# KiCad board dueottosei.kicad_pcb (continued)
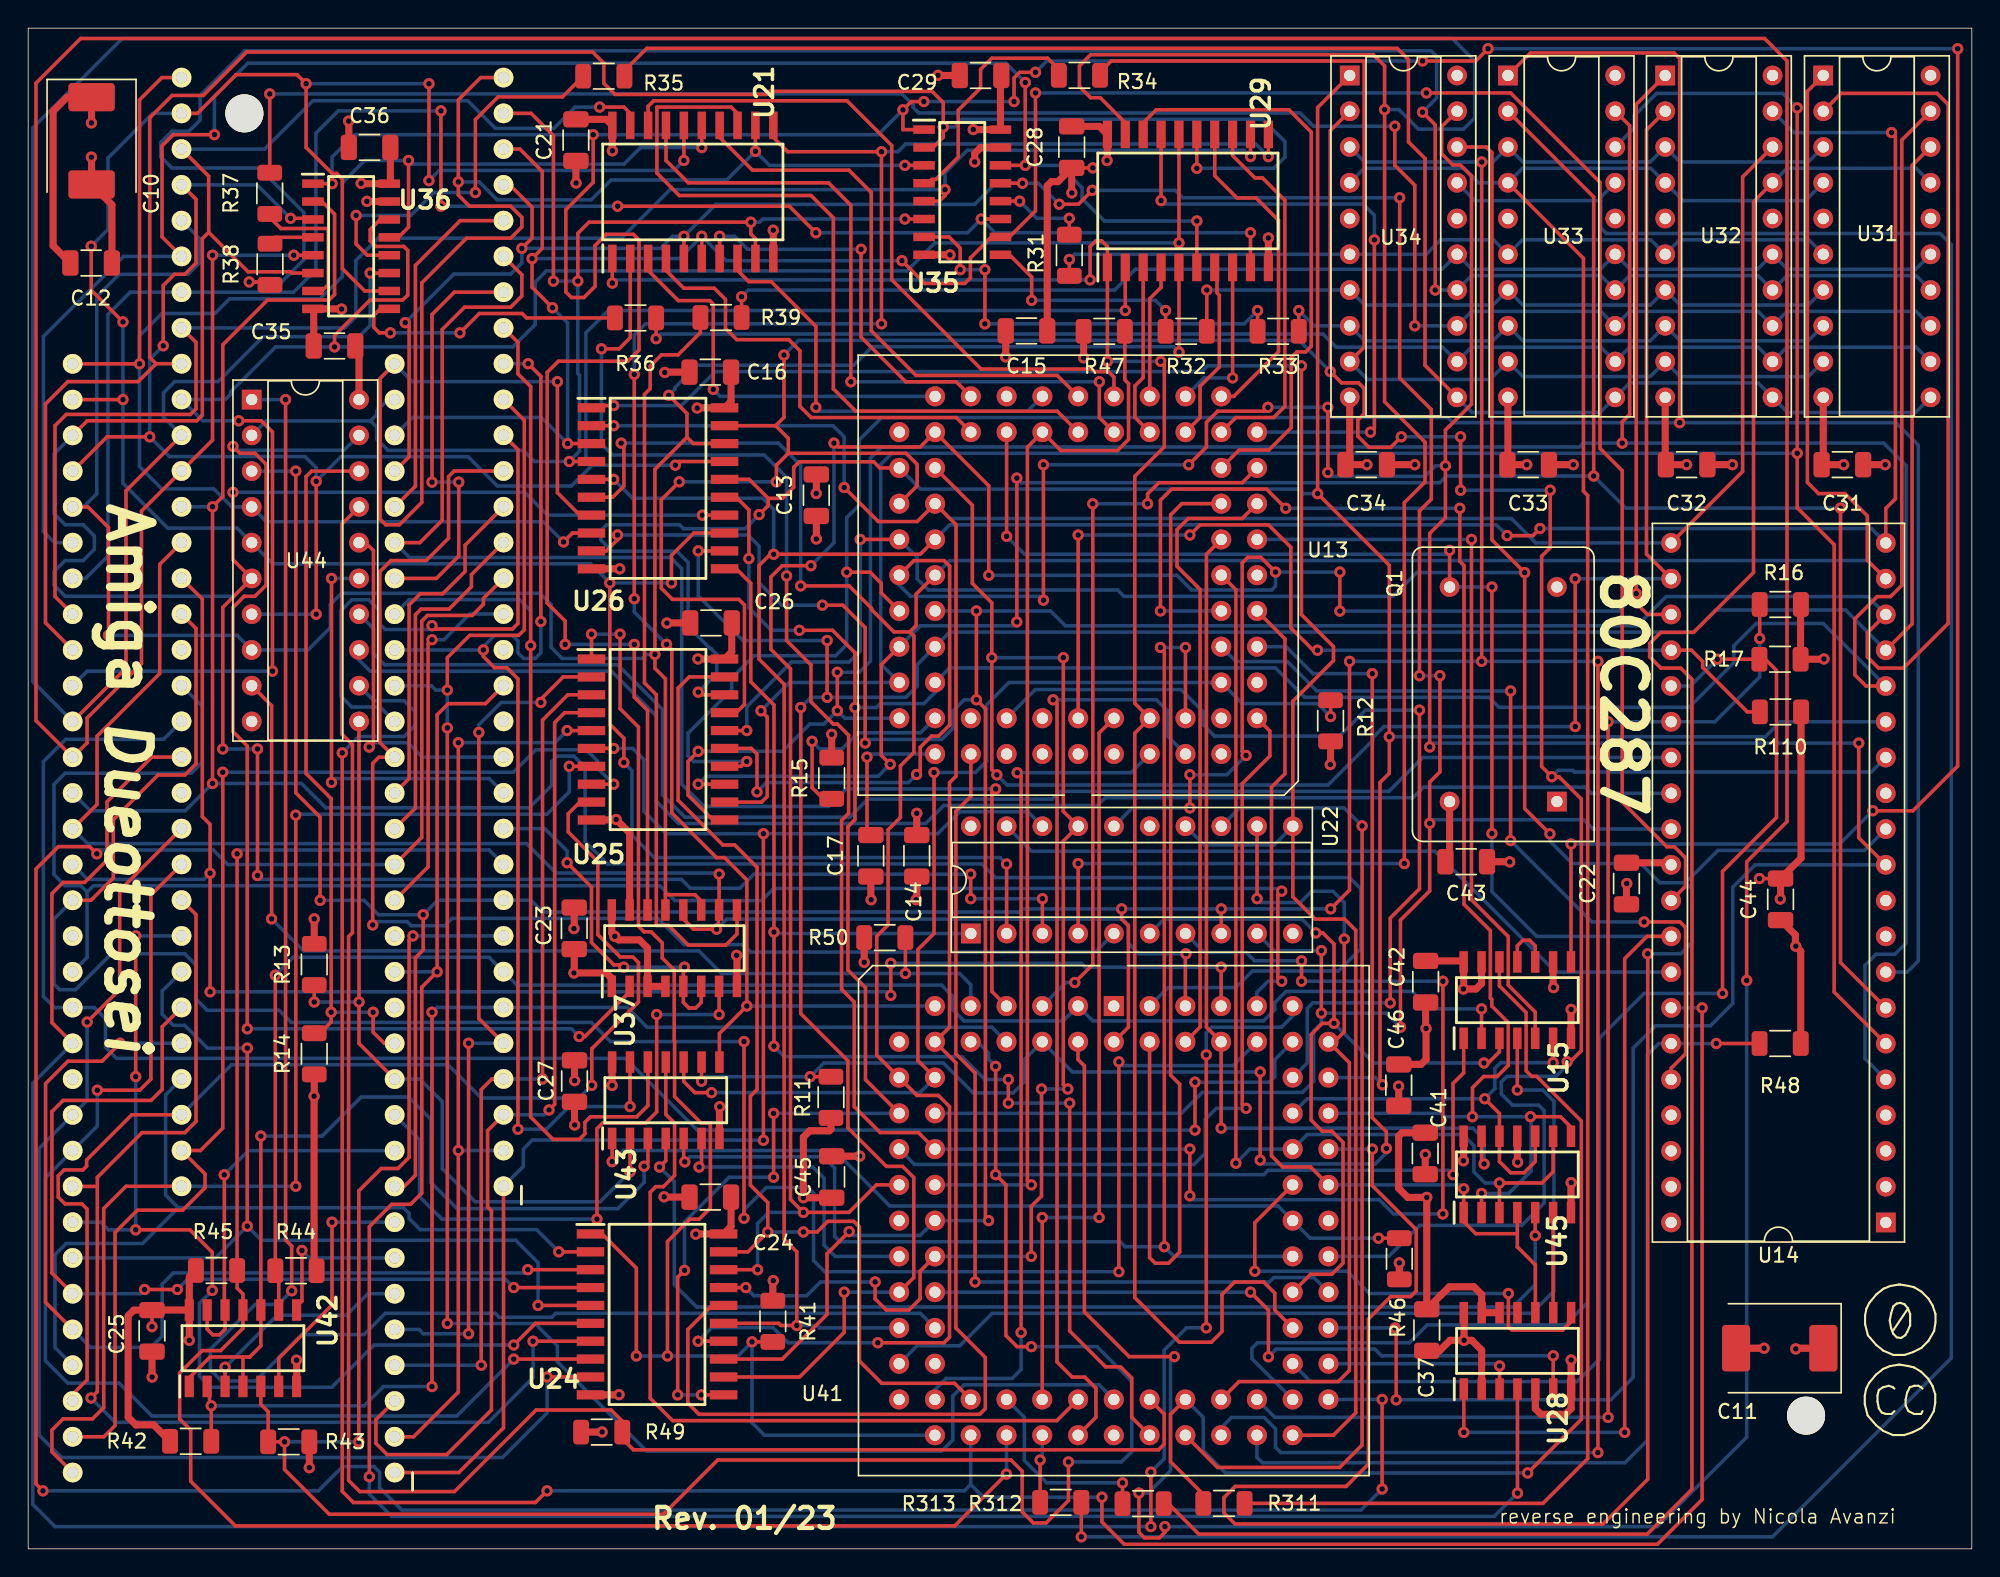
[diagram p0: board, top side]
## Routing (per net, layer and track width the routed paths; a pad name or vN(x,y) marks a point on that pad's centre or on a via; arc(x,y) is an arc through that point)
GND: length 155.9
  Top w0.25: v1(122.92,47.61) C44.2 ; v1(75.59,98.08) 74.09,98.08
  Top w0.5: U21.10 52.91,93.65 v1(52.9,93.65) ; U37.1 41.44,40.52 41.05,40.9 v1(38.75,40.9) 38.77,40.92 C23.2 ; v1(38.9,97) 38.89,97.01 38.89,98.58 ; v1(49.1,31.4) 49.08,31.38 U43.7 ; C13.2 55.96,74.96 v1(55.95,74.95) ; v1(59.04,27.89) 59.03,27.89 C45.2 ; C34.2 v1(98.45,77) ; v1(105.75,27.46) 105.73,27.48 U45.11 ; C17.2 59.83,46.12 v1(59.85,46.1) ; U42.7 19.06,13.39 v1(19.05,13.4) ; v1(42,69.6) 42,69.61 U26.10 ; v1(38.8,33.25) 38.79,33.26 C27.2 ; v1(105.19,48.79) 105.18,48.8 104.07,48.8 103.57,49.3 ; v1(109.55,38.31) 109.54,38.3 U15.7 ; U28.5 107.01,9.95 107.4,9.56 109.15,9.56 109.55,9.96 U28.7 v1(109.55,13.41) ; v1(64.6,104.65) 64.61,104.64 C29.2 ; v1(45.15,25) 45.17,24.98 C24.2 ; C35.2 20.28,88.01 U36.8 22.23,88.06 v1(22.25,88.05) ; U37.15 42.7,50.84 v1(41.75,51.8) 41.72,51.77 U25.10 ; v1(45.2,83.55) 45.22,83.57 C16.2 ; v1(41.95,10.95) 41.94,10.94 39.92,10.94 ; v1(88.05,93.1) 88.06,93.09 U29.10 ; v1(74.1,96.3) 74.09,96.31 74.09,98.08 73.12,97.1 72.65,97.1 72.35,96.81 C15.2 ; U37.8 50.32,42.12 v1(50.3,42.15) ; C33.2 v1(109.7,77) ; C22.2 116.5,48.72 U14.30 ; v1(24.05,95.7) 24.06,95.69 U36.15 ; U35.8 65.44,91.91 v1(65.45,91.9) ; 99.3,17.02 100.29,18.01 100.3,18.01 100.9,18.61 102.65,18.61 103.2,18.06 U28.13 U28.12 ; 99.3,17.02 99.44,17.16 ; 99.3,17.02 v1(99.3,24.96) 97.95,24.96 97.3,25.61 97.3,29.31 97.54,29.56 99.19,29.56 ; v1(45.35,65.75) 45.36,65.76 C26.2 ; C14.2 63.09,46.14 v1(63.05,46.1) ; C12.2 5.94,95.45 C10.2 4.5,98.83 v1(4.49,98.84) ; v1(22.75,101.4) 22.77,101.38 C36.2 ; U35.15 67.62,99.53 67.2,99.1 v1(67.2,98.5) ; v1(109.55,26.01) 109.54,26 U45.7 ; C25.2 8.79,12.21 v1(8.8,12.2) ; C32.2 v1(121,77) ; C11.2 v1(123.25,14.25) ; C42.2 99.22,36.99 v1(99.25,36.96) 99.25,34.76 98.9,34.41 C46.2 ; v1(124.4,46.15) 124.42,46.17 C44.2 125.87,49.06 R110.1 ; C31.2 v1(131.85,77)
VCC: length 204.1
  Top w0.25: v1(8.79,15.78) 8.79,16.96
  Top w0.5: v1(23.64,96.98) 23.67,96.95 U36.16 25.72,97.03 25.72,99.53 ; v1(101.95,14.81) 100.95,14.81 100.21,14.06 C37.1 ; v1(101.95,14.81) 102.5,14.81 103.2,14.11 U28.2 ; v1(101.95,14.81) 101.95,16.75 U28.14 ; C35.1 23.49,85.16 U44.20 ; U31.10 127.45,77.11 C31.1 v1(128.9,77) ; v1(47.4,22.35) 47.41,22.36 49.38,22.36 49.91,22.89 C24.1 ; C15.1 69.41,84.66 v1(69.4,84.65) ; U15.13 103.19,40.15 102.8,39.76 v1(101.9,39.76) 101.92,39.78 U15.14 101.85,41.75 C42.1 ; R14.1 20.31,32.16 v1(20.3,32.15) 20.3,19.92 R44.1 ; v1(40.75,8.3) 40.74,8.29 R49.1 ; C14.1 v1(63.09,52.24) ; v1(97.3,32.86) 97.31,32.85 C46.1 ; R50.1 v1(59.36,41.66) ; v1(4.49,101.27) 4.5,101.28 C10.1 2.76,103.1 1.77,102.11 1.77,92.55 C12.1 ; v1(125.5,14.2) 125.55,14.25 C11.1 ; v1(38.8,30.1) 38.79,30.11 C27.1 ; R41.1 52.87,19.02 v1(52.9,19.05) ; 49.96,65.76 49.96,63.7 U25.20 47.56,63.19 v1(47.55,63.2) ; C13.1 v1(55.96,71.72) ; R43.1 v1(19.96,5.76) ; 10.08,7.64 8.92,8.8 7.65,8.8 7.1,9.35 7.1,16.55 7.5,16.96 8.79,16.96 8.8,16.96 U42.14 ; 74.94,84.51 v1(74.94,84.59) R47.1 ; v1(92.45,55.7) 92.47,55.72 R12.1 ; v1(41.48,99.29) 41.47,99.3 U21.20 41.05,101.53 C21.1 ; C16.1 49.91,81.5 U26.20 47.51,81.03 v1(47.5,81.02) ; C44.1 125.47,43.6 125.47,42.83 v1(125.5,42.8) 125.85,42.45 R48.1 ; 100.62,49.3 C43.1 100.92,49.09 Q1.14 ; v1(106.4,77) C33.1 105.06,77.03 U33.10 ; U42.14 v1(11.44,14.81) ; U42.14 11.44,19.3 R45.1 ; v1(108.3,39.86) 108.27,39.89 U15.9 ; C45.1 55.04,24.94 v1(55.04,24.94) 55.04,29.24 55.49,29.69 56.89,29.69 57,29.8 R11.2 ; C28.1 76.06,101.03 U29.20 76.62,98.62 v1(76.6,98.6) ; R13.1 v1(20.31,44.74) ; v1(101.9,27.56) 101.92,27.58 U45.14 ; v1(38.75,44.05) 38.77,44.07 C23.1 ; R46.1 v1(97.35,20.31) ; v1(67.1,100.8) 67.1,100.8 U35.16 69.03,104.58 C29.1 ; U37.4 U37.3 43.97,42.67 43.4,43.25 41.9,43.25 v1(41.65,43.5) 41.44,43.72 U37.16 ; R15.1 v1(57.05,57.85) ; U32.10 116.23,77.05 C32.1 v1(117.75,77) ; U34.10 93.83,77.31 C34.1 v1(95.05,77) ; v1(99.2,28.01) 99.19,28 C41.1 ; R16.1 125.84,67.05 R17.1 127.48,63.18 v1(127.5,63.2) ; U43.14 v1(41.46,32.91) ; v1(113.5,47.25) 113.48,47.23 C22.1
6_A0: length 28.5
  Top w0.25: v1(48.64,82.35) 48.64,88.4 48.39,88.65 46.16,88.65 44.02,90.79 U21.3
  Bottom w0.25: U13.34 49.14,81.85 v1(48.64,82.35)
6_A1: length 30.8
  Top w0.25: U21.4 45.28,90.79 46.55,89.53 48.72,89.53 49.51,88.73 49.51,86.67 50.3,85.88 54,85.88 54.79,85.09 54.79,81.14 55.59,80.35 65.89,80.35 U13.33
6_A2: length 27.8
  Top w0.25: v1(59.14,92.3) 59.14,86.06 62.31,82.89 65.89,82.89 U13.32 ; v1(49.09,93.22) U21.7
  Bottom w0.25: v1(59.14,92.3) 51.08,92.3 50.15,93.22 v1(49.09,93.22)
6_A3: length 30.4
  Top w0.25: v1(55.93,81.07) 55.93,86.82 52.75,90 51.16,90 50.37,90.79 U21.8
  Bottom w0.25: v1(55.93,81.07) 56.2,80.8 70.96,80.8 U13.28
6_A4: length 56.1
  Top w0.25: U13.27 73.06,80.8 58.76,80.8 57.17,82.38 57.17,94.53 55.58,96.12 46.23,96.12 44.64,97.7 44.64,102.4 49.92,102.4 50.37,101.95 U21.13
6_A5: length 39.7
  Top w0.25: U13.26 73.06,83.34 63.04,83.34 59.86,86.51 59.86,96.33 58.27,97.91 51.42,97.91 49.09,100.24 U21.14
6_A6: length 51.1
  Top w0.25: U13.25 76.05,80.35 v1(76.05,82.89) ; U21.17 45.28,98.6 46.87,97.01 56.82,97.01 58.41,95.43 v1(58.41,82.89)
  Bottom w0.25: v1(76.05,82.89) v1(58.41,82.89)
6_A7: length 49.7
  Top w0.25: U21.18 44.02,102.45 44.41,102.85 58.14,102.85 61.31,99.67 61.31,90.14 67.66,83.79 75.53,83.79 75.7,83.61 76.69,83.61 77.09,83.21 U13.24
6_A8: length 12.4
  Top w0.25: U13.23 78.58,80.36 78.58,82.59 79.16,83.18 U29.3
6_A9: length 9.5
  Top w0.25: U13.22 79.63,88.79 80.44,89.59 U29.4
6_A10: length 12.8
  Top w0.25: U29.7 84.25,90.53 84.41,90.37 84.41,89.2 84.57,89.04 84.57,83.93 83.21,82.57 83.21,80.35 U13.21
6_A11: length 11.7
  Top w0.25: v1(85.51,83.16) U29.8
  Bottom w0.25: v1(85.51,83.16) 83.48,83.16 U13.20
6_A12: length 26.4
  Top w0.25: U13.19 85.75,80.35 88.43,80.35 89.23,81.14 89.23,95.77 87.64,97.36 87.1,97.36 85.51,98.95 U29.13
6_A13: length 23.5
  Top w0.25: U13.18 85.6,81.85 88.78,85.03 88.78,94.35 87.19,95.94 85.83,95.94 84.25,97.52 U29.14
6_A14: length 43.8
  Top w0.25: v1(95.58,92.97) 95.58,79.58 v1(95.31,79.31) ; v1(80.44,95.76) U29.17
  Bottom w0.25: v1(95.31,79.31) U13.17 ; v1(95.58,92.97) 95.58,94.71 94.79,95.51 80.69,95.51 v1(80.44,95.76)
6_A15: length 41.9
  Top w0.25: U29.18 79.16,101.28 80.09,102.21 89.51,102.21 91.1,100.62 91.1,85.4 90.7,85.01 90.07,85.01 89.68,84.61 89.68,79.63 88.09,78.04 85.98,78.04 U13.16
6_A16: length 50.7
  Top w0.25: v1(75.59,74.22) 75.59,41.5 v1(74.31,40.22) ; U13.15 86.2,75.72 80.27,75.72 79.48,74.92 v1(79.48,74.22)
  Bottom w0.25: v1(74.31,40.22) 73.67,40.22 U41.5 ; v1(79.48,74.22) v1(75.59,74.22)
6_A17: length 74.5
  Top w0.25: U41.84 79.62,20.68 80.02,20.28 80.96,20.28 81.75,21.08 81.75,33 81.12,33.64 81.12,73.44 81.91,74.23 U13.14
6_A18: length 43.9
  Top w0.25: U13.13 86.2,73.18 82.36,73.18 81.57,72.38 81.57,69.78 83.21,68.14 83.21,37.06 U41.82
6_A19: length 65.5
  Top w0.25: v1(84.7,29.88) U41.80 83.66,37.05 83.66,70.64 U13.12 ; v1(103.37,27.34) 103.19,27.52 U45.13
  Bottom w0.25: v1(84.7,29.88) 102.58,29.88 103.37,29.08 v1(103.37,27.34)
6_A20: length 52.5
  Top w0.25: U15.5 107,38.12 105.09,40.04 105.09,43.48 102.48,46.09 v1(102.48,71.69)
  Bottom w0.25: v1(102.48,71.69) U13.11
6_A21: length 73
  Top w0.25: U13.10 85.75,68.11 v1(85.75,27.39) ; U45.9 108.27,26.78 107.48,25.98 v1(104.46,25.98) U45.3
  Bottom w0.25: v1(85.75,27.39) 86.75,28.39 U41.69 90.82,29.43 101.85,29.43 102.65,28.63 102.65,26.78 103.44,25.98 v1(104.46,25.98)
6_A22: length 108.3
  Top w0.25: v1(101.65,73.9) 101.65,70.14 101.95,69.84 101.95,45.77 103.82,43.9 103.82,39.12 103.92,39.02 103.92,38.55 105.09,37.38 105.09,34.34 104.29,33.55 103.34,33.55 102.55,32.75 v1(102.55,30.69) ; U45.8 109.54,29.94 108.79,30.69 v1(106.66,30.69) ; v1(80.39,66.61) 80.39,74.47 81.19,75.27 87.92,75.27 v1(89.29,73.9) ; v1(103.19,25.24) U45.2
  Bottom w0.25: v1(80.39,66.61) U13.8 ; v1(103.19,25.24) 105.12,25.24 106.71,26.83 106.71,30.65 v1(106.66,30.69) v1(102.55,30.69) 100.53,30.69 100.29,30.93 U41.70 ; v1(101.65,73.9) v1(89.29,73.9)
6_A23: length 68.7
  Top w0.25: 105.73,22.38 102.78,22.38 101.92,23.24 U45.1 v1(101.92,25.58) ; 105.73,22.38 U45.4 ; 105.73,22.38 105.73,21.45 107.01,20.17 U28.10 ; U13.7 89.23,64.63 89.23,55.05 88.28,54.1 88.28,27.91 89.07,27.12 91.05,27.12 U41.66
  Bottom w0.25: v1(101.92,25.58) 101.65,25.85 U41.66
6_COD\~{INTA}: length 66.6
  Top w0.25: U41.41 75.81,9.34 75.81,11.41 75.02,12.2 74.12,12.2 73.05,13.27 73.05,60.03 v1(72.77,60.3)
  Bottom w0.25: v1(72.77,60.3) 80.11,60.3 80.9,59.51 80.9,57.72 U13.66
6_D0: length 216.5
  Top w0.25: U41.20 60.23,25.85 58.28,23.9 v1(55.04,23.9) 54.13,24.81 54.13,62.5 52.73,63.89 52.73,69.03 53.53,69.82 v1(55.57,69.82) ; v1(57.21,78.53) 57.49,78.26 63.34,78.26 U13.36 68.2,75.5 v1(68.2,69.14) ; v1(88.56,69.37) 87.51,70.42 86.59,70.42 86.2,70.02 86.2,56.62 v1(86.47,56.35) ; v1(93.13,66.6) v1(93.13,69.37) ; v1(82.48,54.97) v1(82.48,52.62) ; U14.23 114.97,66.36 114.18,67.15 v1(114.18,67.84) 114.18,102.59 U32.1 ; v1(51.79,19.83) U24.18
  Bottom w0.25: v1(93.13,69.37) v1(88.56,69.37) 88.56,68.37 88.29,68.1 82.61,68.1 81.57,69.14 v1(68.2,69.14) ; v1(114.18,67.84) 112.94,66.6 v1(93.13,66.6) ; v1(82.48,54.97) 85.1,54.97 v1(86.47,56.35) ; v1(55.04,23.9) 52.58,23.9 51.79,23.1 v1(51.79,19.83) ; v1(57.21,78.53) 57.21,71.46 v1(55.57,69.82) ; v1(82.48,52.62) 78.39,52.62 U22.16
6_D1: length 196.1
  Top w0.25: v1(68.78,54.97) 68.42,55.33 v1(68.42,63.29) 68.42,67.19 67.04,68.56 67.04,74.12 U13.38 ; v1(73.5,63.29) 73.5,52.37 U22.17 73.5,50.27 73.5,32.97 v1(73.81,32.66) ; v1(109.84,68.9) v1(109.84,58.4) ; U32.2 114.9,100.77 114.9,70.65 U14.22 ; v1(71.95,32.66) 71.95,25.05 71.22,24.33 v1(71.22,20.77) ; v1(60.13,18.96) 60.13,17.75 60.93,16.96 62.53,16.96 63.33,17.75 63.33,19.72 U41.25 ; v1(50.95,18.56) U24.17
  Bottom w0.25: v1(60.13,18.96) 56.25,18.96 55.28,17.98 51.53,17.98 v1(50.95,18.56) ; v1(68.78,54.97) 69.5,54.25 92.29,54.25 95.47,57.42 95.47,57.61 96.26,58.4 v1(109.84,58.4) ; v1(68.42,63.29) v1(73.5,63.29) ; v1(71.95,32.66) v1(73.81,32.66) ; U14.22 v1(109.84,68.9) ; U41.25 v1(71.22,20.77)
6_D2: length 211.4
  Top w0.25: U14.21 121.73,76.52 121.73,97.44 U32.18 ; v1(41.57,79.77) U26.2 ; 49.38,17.28 48.55,17.28 46.84,15.57 46.84,10.35 47.63,9.56 67.56,9.56 67.96,9.95 67.96,13.59 65.87,15.68 65.87,34.52 U41.13 65.42,37.05 65.42,54.41 65.88,54.87 65.88,72.74 U13.40 63.12,72.96 60.36,72.96 v1(57.94,75.38)
  Bottom w0.25: v1(41.57,79.77) 57.14,79.77 57.94,78.97 v1(57.94,75.38) ; U14.21 107.04,71.44 105.31,73.18 65.44,73.18 U13.40
6_D3: length 205.5
  Top w0.25: U14.20 131.89,73.89 132.58,74.57 132.58,100.31 v1(132.3,100.59) ; U13.42 63.34,70.64 v1(52.93,70.64) 52.69,70.64 51.9,69.84 51.9,63.18 53.68,61.4 53.68,21.99 54.57,21.1 v1(54.57,15.86) 53.45,15.86 53.29,16.01 49.38,16.01 ; v1(41.57,75.95) U26.5 ; v1(107.34,72.47) 106.83,71.96 v1(105.01,71.96)
  Bottom w0.25: U14.20 130.86,72.47 v1(107.34,72.47) ; v1(54.57,15.86) 56.01,15.86 56.18,15.69 U41.28 ; U32.19 125.36,100.59 v1(132.3,100.59) ; v1(41.57,75.95) 42.91,74.62 52.14,74.62 52.93,73.82 v1(52.93,70.64) ; U13.42 65.43,72.73 104.24,72.73 v1(105.01,71.96)
6_D4: length 224.7
  Top w0.25: U13.44 63.05,67.81 63.05,65.57 62.6,65.12 ; U31.1 126.33,103.52 126.33,75.74 127.12,74.95 129,74.95 130.58,73.36 130.58,70.21 U14.19 ; 62.6,65.12 61.46,65.12 59.88,66.71 59.88,66.8 58.29,68.39 v1(54.85,68.39) ; 62.6,65.12 62.89,64.83 62.89,56.56 61.93,55.61 61.93,51.94 61.06,51.07 61.06,44.31 60.25,43.5 60.25,35.06 U41.14 63.11,32.2 64.62,32.2 65.42,31.41 65.42,15.03 65.02,14.64 v1(60.33,14.64) ; v1(47.56,14.75) U24.14 ; v1(42.1,78.53) 42.3,78.34 42.3,75.48 41.5,74.69 U26.6
  Bottom w0.25: U13.44 65.43,70.19 130.6,70.19 U14.19 ; v1(47.56,14.75) 48.53,15.71 52.88,15.71 53.96,14.64 v1(60.33,14.64) ; v1(54.85,68.39) 54.85,76.94 53.26,78.53 v1(42.1,78.53)
6_D5: length 238.6
  Top w0.25: U14.18 130.58,65.05 130.58,63.34 131.38,62.55 133.15,62.55 136.32,65.72 136.32,102.58 135.53,103.37 128.72,103.37 U31.2 ; v1(68.19,23.31) 67.97,23.53 67.97,59.66 v1(67.33,60.3) v1(67.33,66.61) ; v1(58.29,22.53) 56.72,20.96 56.72,16.65 53.54,13.47 U24.13 ; v1(41.85,72) 41.85,71.67 41.05,70.88 U26.9 ; v1(56.39,67.02) 57.84,67.02 59.43,65.43 v1(59.43,57.23)
  Bottom w0.25: v1(68.19,23.31) U41.23 63.33,22.26 58.57,22.26 v1(58.29,22.53) ; U14.18 130.62,67.63 116.3,67.63 114.23,65.56 73.64,65.56 72.59,66.61 v1(67.33,66.61) U13.46 ; v1(56.39,67.02) 53.48,67.02 51.9,68.61 51.9,71.21 51.1,72 v1(41.85,72) ; v1(59.43,57.23) 59.68,57.49 64.87,57.49 65.66,58.28 65.66,59.51 66.45,60.3 v1(67.33,60.3)
6_D6: length 201.2
  Top w0.25: v1(47.58,70.88) U26.12 ; U14.17 133.76,65.69 133.76,98.25 U31.18 ; U41.26 62.88,19.27 62.88,26.37 62.08,27.16 60.93,27.16 58.2,29.9 58.2,34.67 54.85,38.02 v1(54.85,59.75) ; v1(56.72,60.48) v1(56.72,64.51) ; U24.12 54.77,12.21 57.94,15.38 v1(57.94,18.23)
  Bottom w0.25: U14.17 129.04,66.67 119.8,66.67 118.24,65.11 65.43,65.11 U13.48 63.12,62.8 63.12,61.27 62.33,60.48 v1(56.72,60.48) 55.58,60.48 v1(54.85,59.75) ; U41.26 v1(57.94,18.23) ; v1(47.58,70.88) 47.58,67.68 50.75,64.51 v1(56.72,64.51)
6_D7: length 215.5
  Top w0.25: v1(46.6,19.78) 46.12,19.29 46.12,10.94 v1(46.11,10.94) ; v1(54.75,65.23) 57.11,65.23 58.7,63.65 v1(58.7,59.75) 58.7,51.79 58.2,51.29 58.2,41.11 59.45,39.86 59.45,33.32 U41.16 ; v1(51.17,70.33) 51.17,73.78 50.27,74.69 U26.15 ; U14.16 130.48,61.28 129.69,62.07 129.69,66.04 131.28,67.63 132.23,67.63 133.03,68.42 133.03,100.06 U31.19 ; v1(47.8,10.94) U24.11 ; v1(52.93,30.93) v1(52.93,26.39)
  Bottom w0.25: v1(58.7,59.75) 60.23,59.75 60.5,60.03 63.6,60.03 64.39,60.82 U13.50 65.43,62.57 88.55,62.57 90.64,60.48 103.72,60.48 104.43,59.77 117.93,59.77 121.1,62.94 121.1,64.13 122.69,65.72 127.45,65.72 U14.16 ; v1(46.11,10.94) v1(47.8,10.94) ; v1(46.6,19.78) 46.6,23.22 49.78,26.39 v1(52.93,26.39) ; v1(51.17,70.33) 51.17,66.82 52.76,65.23 v1(54.75,65.23) ; U41.16 v1(52.93,30.93)
6_D8: length 193.8
  Top w0.25: U34.1 91.55,102.36 v1(91.55,74.94) 96.64,69.85 v1(96.64,57.68) 96.64,55.09 95.98,54.43 95.98,33.14 v1(96.16,32.96) ; 52.54,74.6 51.19,75.95 U26.16 ; 52.54,74.6 53.56,74.6 54.35,75.4 54.35,76.81 54.75,77.21 60.03,77.21 60.47,76.77 U13.37 ; 52.54,74.6 52.54,74.09 v1(51.9,73.45) ; v1(47.58,60.84) 47.76,60.66 U25.18
  Bottom w0.25: U13.37 63.35,75.27 90.21,75.27 90.54,74.94 v1(91.55,74.94) ; U41.72 95.65,33.47 v1(96.16,32.96) ; v1(96.64,57.68) 123.33,57.68 124.4,58.74 U14.15 ; v1(51.9,73.45) 50.9,72.45 46.52,72.45 46.25,72.73 41.07,72.73 40.67,72.33 40.67,71.65 41.46,70.86 46.06,70.86 46.85,70.06 46.85,65.51 48.44,63.93 48.49,63.93 48.89,63.53 48.89,62.16 v1(47.58,60.84)
6_D9: length 240.7
  Top w0.25: U13.39 63.12,75.5 63.12,77.01 62.33,77.81 53.97,77.81 ; v1(46.23,75.78) 44.95,74.5 44.95,68.22 45.74,67.43 50.46,67.43 50.86,67.03 50.86,59.97 50.27,59.39 U25.17 ; 53.07,79.77 53.66,80.36 v1(53.66,84.79) ; 53.07,79.77 U26.19 ; 53.07,79.77 53.97,78.86 53.97,77.81 ; v1(101.7,78.98) v1(101.7,75.18) ; v1(53.12,75.78) 53.12,76.96 53.97,77.81 ; v1(109.27,34.59) 109.48,34.59 110.28,35.38 110.28,53.25 108.69,54.84 v1(108.18,54.84) 107.45,55.56 107.45,70.49 108.06,71.1 v1(108.06,75.18) ; U34.2 92.45,100.72 v1(92.45,83.61) 93.26,82.81 94.46,82.81 94.86,82.41 94.86,80.62 94.41,80.17 94.41,79.02 95.2,78.23 96.74,78.23 v1(97.49,78.98)
  Bottom w0.25: v1(53.66,84.79) 54.7,85.83 90.24,85.83 v1(92.45,83.61) ; U41.62 96.6,20.77 98.8,22.97 106.05,22.97 107.63,24.56 107.63,31.12 107.24,31.52 105.38,31.52 104.59,32.31 104.59,33.16 104.99,33.56 108.48,33.56 109.27,34.35 v1(109.27,34.59) ; U14.14 130.86,55.17 109.78,55.17 109.66,55.29 108.63,55.29 v1(108.18,54.84) ; v1(101.7,75.18) v1(108.06,75.18) ; v1(97.49,78.98) v1(101.7,78.98) ; v1(46.23,75.78) v1(53.12,75.78)
6_D10: length 269.5
  Top w0.25: v1(51.02,58.11) U25.16 ; U13.41 v1(59.07,71.69) ; v1(95.43,28.39) 95.43,25.79 98.55,22.68 98.55,18.31 98.15,17.92 96.74,17.92 95.16,16.33 95.16,6.02 93.57,4.43 85.69,4.43 84.9,3.64 84.9,2.56 85.69,1.76 111.81,1.76 114.99,4.94 v1(114.99,42.26) ; U34.18 103.53,99.56 103.93,99.16 103.93,71.66 v1(106.25,69.34) 106.25,52.57 v1(108.05,50.78)
  Bottom w0.25: 117.68,47.31 118.13,46.86 118.13,43.05 117.33,42.26 v1(114.99,42.26) ; 117.68,47.31 115.85,47.31 114.5,48.67 109.63,48.67 108.05,50.26 v1(108.05,50.78) ; 117.68,47.31 119.97,49.61 130.38,49.61 U14.12 ; v1(59.07,71.69) 59.07,63.77 58.28,62.98 54.2,62.98 51.02,59.81 v1(51.02,58.11) ; U13.41 63.12,70.42 63.12,68.89 63.91,68.1 77.35,68.1 77.8,67.65 96.9,67.65 98.59,69.34 v1(106.25,69.34) ; v1(95.43,28.39) U41.68
6_D11: length 261.5
  Top w0.25: v1(97.13,10.58) 97.13,15.61 v1(97.05,15.69) ; U34.19 100.35,101 100.35,99.08 101.14,98.29 101.68,98.29 102.48,97.5 102.48,81.29 100.89,79.71 100.88,79.71 100.63,79.46 v1(100.63,76.92) 100.63,73.23 99.51,72.11 v1(99.51,56.95) ; v1(63.08,55) 63.34,55.25 63.34,56.93 64.13,57.72 64.63,57.72 65.43,58.51 65.43,69.79 65.03,70.19 62.89,70.19 U13.43 ; U25.15 51.35,56.84 51.75,56.45 v1(51.75,53.76) ; v1(82.4,76.99) 83.66,78.25 83.66,80 84.45,80.8 87.75,80.8 v1(88.02,81.07) ; v1(72.08,67.37) v1(72.08,76.99) ; v1(92.28,81.07) v1(92.28,76.44) ; v1(129.97,57.23) 129.97,50.5 U14.11
  Bottom w0.25: v1(72.08,67.37) 71.81,67.65 62.64,67.65 61.85,68.44 U13.43 ; v1(88.02,81.07) v1(92.28,81.07) ; v1(63.08,55) 62.5,54.42 52.41,54.42 v1(51.75,53.76) ; v1(92.28,76.44) 92.55,76.17 99.16,76.17 99.91,76.92 v1(100.63,76.92) ; v1(72.08,76.99) v1(82.4,76.99) ; v1(97.05,15.69) U41.58 ; U14.11 122.61,48.58 121.03,46.99 121.03,38.74 119.44,37.15 115.54,37.15 113.96,35.56 113.96,12.17 112.37,10.58 v1(97.13,10.58) ; v1(99.51,56.95) 99.78,57.23 v1(129.97,57.23)
6_D12: length 197
  Top w0.25: U25.14 50.62,55.58 50.96,55.92 v1(51.02,55.92) ; U13.45 60.57,67.89 60.57,68.57 59.78,69.36 v1(58.12,69.36) ; v1(117.26,79.98) 117.26,105.84 116.86,106.24 106.66,106.24 U33.1
  Bottom w0.25: v1(51.02,55.92) 47.25,55.92 46.85,56.31 46.85,57.93 49.95,61.03 49.95,61.84 51.54,63.43 57.32,63.43 58.12,64.22 v1(58.12,69.36) 58.12,73.25 59.01,74.13 59.01,78.76 60.59,80.35 100.79,80.35 101.16,79.98 v1(117.26,79.98) 132.61,79.98 134.2,78.39 134.2,41.75 133.41,40.96 U14.8
6_D13: length 169.5
  Top w0.25: U33.2 111.15,96.01 v1(111.15,76.19) ; v1(47.58,54.31) U25.13 ; U14.7 128.68,41.63 v1(128.68,73.92) ; v1(70.2,65.83) v1(70.2,76.04) ; U13.47 60.57,62.79 60.57,56.36 v1(61.21,55.72)
  Bottom w0.25: v1(47.58,54.31) 48.14,54.87 60.36,54.87 v1(61.21,55.72) ; U13.47 63.34,65.56 69.92,65.56 v1(70.2,65.83) ; v1(128.68,73.92) 113.43,73.92 v1(111.15,76.19) 100.69,76.19 100.22,75.72 70.52,75.72 v1(70.2,76.04)
6_D14: length 186
  Top w0.25: U25.12 52.07,53.03 52.47,53.43 52.47,59.08 v1(52.03,59.52) ; U14.6 128.23,39.54 128.23,71.32 125.6,73.94 v1(125.6,77.81) v1(125.6,102.34)
  Bottom w0.25: v1(125.6,102.34) 124.57,103.37 115.62,103.37 114.03,101.78 114.03,100.91 U33.18 ; v1(125.6,77.81) 61.33,77.81 60.53,77.01 60.53,62.85 U13.49 54.04,61.53 v1(52.03,59.52)
6_D15: length 187.3
  Top w0.25: v1(57.45,62.26) v1(57.45,59.53) ; U25.11 48.62,51.77 46.85,53.53 46.85,55.92 v1(47.58,56.64) ; U33.19 113.71,101.07 113.71,80.57 113.18,80.04 v1(113.18,78.53)
  Bottom w0.25: v1(57.45,62.26) 59.01,62.26 59.8,63.05 59.8,77.46 60.59,78.26 110.14,78.26 110.42,78.53 v1(113.18,78.53) 131.74,78.53 133.33,76.94 133.33,43.02 132.54,42.23 131.21,42.23 130.41,41.44 130.41,34.82 U14.5 ; U13.51 57.99,58.99 v1(57.45,59.53) 56.5,58.58 55.49,58.58 53.56,56.64 v1(47.58,56.64)
6_HDLA: length 137.9
  Top w0.25: v1(80.41,84.34) 80.67,84.08 80.67,78.27 78.57,76.17 78.57,60.05 U13.65 78.57,57.93 78.57,17.85 81.74,14.67 84,14.67 84.76,15.43 84.76,18.06 85.66,18.96 87.72,18.96 88.51,18.16 88.51,16.96 U41.59 ; v1(76.62,84.34) U29.1 76.62,92.49 76.23,92.89 75.79,92.89 75.4,92.49 v1(75.4,90.12) ; v1(41.47,89.9) U21.1
  Bottom w0.25: v1(41.47,89.9) 41.7,90.12 v1(75.4,90.12) ; v1(80.41,84.34) v1(76.62,84.34)
6_HOLD: length 59.9
  Top w0.25: v1(70.5,15.36) 70.5,54.85 v1(70.22,55.12)
  Bottom w0.25: v1(70.5,15.36) 70.5,12.74 69.86,12.1 65.17,12.1 64.38,11.3 U41.34 ; v1(70.22,55.12) 78.3,55.12 U13.64
6_INTR: length 65.9
  Top w0.25: v1(96.71,38.77) 96.71,44.8 98.78,46.87 v1(98.78,59.56)
  Bottom w0.25: U13.57 71.51,61.03 81.85,61.03 83.44,59.44 83.44,58.51 84.23,57.72 93.1,57.72 94.95,59.56 v1(98.78,59.56) ; v1(96.71,38.77) 91.21,38.77 90.82,38.37 90.82,34.51 U41.73
6_M\~{IO}: length 100.3
  Top w0.25: v1(80.39,64.02) 80.67,63.74 v1(80.67,21.46) ; v1(46.62,27.48) 46.54,27.56 U43.5 ; v1(82.17,64.02) U13.67
  Bottom w0.25: v1(80.39,64.02) v1(82.17,64.02) ; v1(46.62,27.48) 46.98,27.84 56.46,27.84 57.26,27.05 57.26,22.2 57.65,21.81 77.54,21.81 77.89,21.46 v1(80.67,21.46) 81.36,20.77 U41.63
6_PEREQ: length 70.8
  Top w0.25: v1(74.55,72) U13.61 ; U14.24 118.09,63.82 118.89,63.03 118.89,62.61 122.06,59.44 R110.2 ; v1(82.48,72) 83.21,72.73 88.06,72.73 89.65,71.14 89.65,65.41 91.23,63.82 v1(91.54,63.82)
  Bottom w0.25: v1(82.48,72) v1(74.55,72) ; U14.24 v1(91.54,63.82)
6_RESET: length 75.6
  Top w0.25: v1(71.22,25.85) 70.95,26.12 70.95,78.25 U13.29 73.32,78 77.33,78 78.13,78.79 78.13,82.75 77.86,83.02 R47.2
  Bottom w0.25: v1(71.22,25.85) U41.21
6_~{BHE}: length 57.1
  Top w0.25: v1(86.47,31.28) 86.2,31.56 86.2,54.35 88.16,56.31 88.16,58.08 U13.1
  Bottom w0.25: v1(86.47,31.28) 84.36,31.28 83.57,30.49 83.57,28.09 82.77,27.3 62.93,27.3 U41.18
6_~{BUSY}: length 64.1
  Top w0.25: U13.54 66.93,53.44 65.87,52.38 65.87,35.16 67.23,33.8 v1(67.23,18.96)
  Bottom w0.25: v1(67.23,18.96) 88.12,18.96 88.44,19.27 91.28,19.27 U41.60
6_~{PEACK}: length 58.9
  Top w0.25: v1(105.25,50.3) v1(105.25,60.93) ; v1(114.73,44.53) 117.28,44.53 117.68,44.13 117.68,35.16 116.65,34.13 U14.36
  Bottom w0.25: v1(105.25,50.3) 111.03,44.53 v1(114.73,44.53) ; U13.6 85.76,63.02 89.41,63.02 91.5,60.93 v1(105.25,60.93) ; 116.65,33.57 U14.36
6_~{READY}: length 52.9
  Top w0.25: v1(72,23.53) U41.40 ; v1(76.04,23.53) 76.04,57.94 U13.63
  Bottom w0.25: v1(76.04,23.53) v1(72,23.53)
6_~{S0}: length 106.3
  Top w0.25: v1(95.43,62.16) 95.43,30.62 96.43,29.62 v1(96.43,28.44) ; v1(47.81,33.21) U43.9 ; v1(55.52,33.53) R11.1 ; v1(87.47,33.87) v1(87.47,27.61)
  Bottom w0.25: v1(47.81,33.21) 48.13,33.53 v1(55.52,33.53) 56.5,34.51 64.98,34.51 67.1,32.38 69.94,32.38 70.73,33.17 70.73,34.74 U41.6 74.14,33.87 v1(87.47,33.87) ; v1(95.43,62.16) 91.22,62.16 89.31,64.07 U13.5 ; v1(87.47,27.61) 87.75,27.34 95.64,27.34 96.43,28.13 v1(96.43,28.44)
6_~{S1}: length 78
  Top w0.25: v1(64.32,55.14) 64.32,43.71 63.17,42.56 63.17,34.68 U41.15 ; v1(48.52,32.4) 47.33,32.4 46.54,33.19 U43.10 ; v1(92.47,59.11) R12.2
  Bottom w0.25: v1(64.32,55.14) 67.26,55.14 68.05,55.93 68.05,59.94 69.64,61.53 U13.4 86.21,60.03 91.55,60.03 v1(92.47,59.11) ; U41.15 63.31,32.4 v1(48.52,32.4)
7_NPS2: length 105
  Bottom w0.25: U41.55 86.88,13.51 86.88,14.24 87.28,14.64 98.07,14.64 99.34,15.91 109.14,15.91 110.73,17.49 110.73,40.96 ; U22.19 71.25,49.54 99.88,49.54 108.46,40.96 110.73,40.96 ; 110.73,40.96 U14.33
7_RESET: length 65.8
  Top w0.25: v1(119.85,35.89) R48.2
  Bottom w0.25: v1(119.85,35.89) 119.84,35.88 U14.35 115.76,35.88 114.96,35.09 114.96,7.7 113.37,6.11 87.64,6.11 87.24,6.51 U41.51
7_~{BUSY}: length 88.9
  Top w0.25: v1(119.92,63.18) R17.2 123.34,63.18 124.13,62.39 124.13,51.94 120.3,48.11 v1(120.3,39.45)
  Bottom w0.25: U41.57 91.05,11.88 109.97,11.88 111.56,13.47 111.56,36.27 114.73,39.45 v1(120.3,39.45) ; U14.25 118.02,61.28 v1(119.92,63.18)
7_~{ERROR}: length 92.1
  Top w0.25: v1(112.18,58.74) v1(112.18,9.34) ; v1(122.94,64.66) R16.2
  Bottom w0.25: v1(112.18,58.74) U14.26 119.76,58.74 122.94,61.92 v1(122.94,64.66) ; v1(112.18,9.34) 88.51,9.34 U41.52
7_~{NPRD}: length 105.5
  Bottom w0.25: U44.14 24.52,65.35 24.52,63.58 25.31,62.79 41.86,62.79 45.03,59.61 45.03,53.55 46.62,51.97 58.34,51.97 59.62,53.25 72.71,53.25 73.26,53.8 96.61,53.8 99.01,56.2 U14.27
7_~{NPS1}: length 206.3
  Top w0.25: v1(36.84,4.12) 36.01,3.29 23.09,3.29 22.3,4.08 v1(22.3,56.53) ; v1(76.24,3.67) 76.24,1.91 77.82,0.33 115.68,0.33 118.85,3.5 v1(118.85,38.42)
  Bottom w0.25: v1(76.24,3.67) 67.82,3.67 66.92,4.57 ; 66.92,4.57 66.47,4.12 v1(36.84,4.12) ; 66.92,4.57 U41.35 ; U44.12 24.55,60.24 26.69,60.24 27.49,59.44 27.49,58.49 26.69,57.7 23.46,57.7 v1(22.3,56.53) ; v1(118.85,38.42) U14.34
7_~{NPWR}: length 103.5
  Bottom w0.25: U44.13 23.49,63.13 24.28,62.34 41.41,62.34 44.58,59.16 44.58,53.1 46.17,51.51 63.72,51.51 65,52.8 75.91,52.8 76.46,53.35 98.33,53.35 99.08,54.1 110.55,54.1 110.99,53.66 U14.28
CLK: length 56.6
  Top w0.25: U41.50 85.97,11.88 93.01,11.88 93.81,12.67 93.81,34.52 U41.74 92.73,36.01 93.44,36.72 v1(93.44,43.31) ; v1(87.25,46.18) U22.12
  Bottom w0.25: v1(93.44,43.31) 93.44,45.91 92.65,46.7 91.12,46.7 90.32,45.9 87.53,45.9 v1(87.25,46.18)
GCLK: length 138.1
  Top w0.25: v1(88.06,98.88) U29.11 ; U21.11 52.91,100.24 53.92,99.23 v1(60.59,99.23) v1(60.59,87) ; v1(45.33,64.24) 45.7,63.87 45.7,52.27 48.87,49.09 49.44,49.09 51.03,47.5 v1(51.03,38.55) 49.08,36.6 U43.8 ; v1(43.03,67.48) v1(43.03,83.41)
  Bottom w0.25: v1(43.03,83.41) 43.03,86.21 43.83,87 v1(60.59,87) ; v1(43.03,67.48) 43.03,66.53 v1(45.33,64.24) ; v1(51.03,38.55) U41.11 ; v1(60.59,99.23) 61.75,99.23 62.3,99.78 87.16,99.78 v1(88.06,98.88)
LDC: length 75
  Top w0.25: 49.44,61.92 46.94,61.92 46.15,61.13 46.15,53.17 49.32,49.99 50.16,49.99 51.75,48.4 51.75,32.62 51.28,32.15 51.28,25.83 52.51,24.6 v1(52.51,22.5) 51.1,21.09 U24.19 ; U41.36 65.78,11.75 60.6,11.75 59.02,13.34 59.02,22.86 58.62,23.26 56.77,23.26 56.02,22.5 v1(55.04,22.5)
  Bottom w0.25: v1(52.51,22.5) v1(55.04,22.5)
M2: length 99.7
  Top w0.25: 39.92,22.36 40.75,22.36 43.18,19.94 v1(43.18,13.7) ; v1(45.39,13.7) 45.39,21.83 46.98,23.41 47.64,23.41 48.44,24.21 48.44,30.24 47.78,30.24 45.9,32.12 45.9,36.09 45.87,36.11 45.87,41.11 45.02,41.96 45.02,43.03 44.23,43.83 43.73,43.83 43.33,44.22 43.33,58.37 42.03,59.67 v1(42.03,64.96) ; v1(40,64.96) U25.1 ; v1(51.39,14.7) R41.2
  Bottom w0.25: v1(43.18,13.7) v1(45.39,13.7) 50.39,13.7 v1(51.39,14.7) 51.39,8.96 52.28,8.07 U41.33 ; v1(42.03,64.96) v1(40,64.96)
M_~{AS}: length 88.8
  Top w0.25: R42.2 v1(13,10.16) 12.88,10.29 12.88,11.11 12.71,11.28 U42.2 ; v1(28.67,38.11) v1(28.67,11.53)
  Bottom w0.25: v1(28.67,11.53) 25.23,11.53 23.86,10.16 v1(13,10.16) ; v1(28.67,38.11) 29.01,38.45 J2.6 42.54,38.45 43.94,37.05 68.42,37.05 U41.8
M_~{BGACK}: length 29.2
  Top w0.25: v1(21.54,68.92) v1(21.54,54.43)
  Bottom w0.25: v1(21.54,68.92) U44.15 ; J2.12 32.73,54.71 21.81,54.71 v1(21.54,54.43)
M_~{BG}: length 25
  Top w0.25: v1(38.27,48.73) 40,47 40,43.06 41.58,41.48 42.12,41.48 v1(42.29,41.31) ; v1(46.6,41.31) 46.51,41.23 U37.5 46.51,38.81 46.91,38.41 47.39,38.41 47.78,38.81 U37.6
  Bottom w0.25: J2.11 36.68,51.15 38.27,49.56 v1(38.27,48.73) ; v1(46.6,41.31) v1(42.29,41.31)
M_~{BR}: length 25.4
  Top w0.25: U44.16 23.95,71.46 24.52,70.89 24.52,57.25 v1(24.22,56.95)
  Bottom w0.25: v1(24.22,56.95) 24.52,57.25 26.97,57.25 27.98,56.23 J2.13
M_~{DTACK}: length 130.7
  Top w0.25: v1(69.46,5.31) 65.78,1.63 14.71,1.63 11.54,4.8 11.54,8.44 10.76,9.22 10.76,12.49 12.34,14.08 13.66,14.08 15.25,15.66 U42.11 15.25,18.1 14.83,18.52 R45.2 v1(14.83,49.36)
  Bottom w0.25: v1(69.46,5.31) U41.37 ; J2.10 32.72,49.64 15.11,49.64 v1(14.83,49.36)
M_~{LDS}: length 207.7
  Top w0.25: v1(23.47,7.6) 23.47,25.42 25.06,27.01 26.25,27.01 27.05,27.8 27.05,43.25 v1(27.32,43.53) ; U42.5 16.52,10.26 17.04,9.74 R43.2 v1(18.2,7.6) 18.2,5.63 21.38,2.46 45.11,2.46 48.96,6.31 69.78,6.31 70.57,5.51 70.57,2.63 71.37,1.84 72.27,1.84 73.86,3.43 v1(73.86,6.17) ; v1(71.22,14.36) 70.21,14.36 69.42,15.16 69.42,25.85 v1(68.69,26.58) v1(68.69,34.27) ; v1(101.17,26.58) 101.17,33.05 101.92,33.81 U15.1
  Bottom w0.25: v1(68.69,26.58) 87.73,26.58 88.04,26.89 100.85,26.89 v1(101.17,26.58) ; U41.10 67.4,36.01 68.19,35.22 68.19,34.77 v1(68.69,34.27) ; v1(71.22,14.36) 75.89,14.36 78.35,11.9 78.35,6.9 77.62,6.17 v1(73.86,6.17) ; v1(27.32,43.53) J2.8 ; v1(23.47,7.6) v1(18.2,7.6)
M_~{UDS}: length 117.3
  Top w0.25: v1(17.55,40.74) R44.2 17.79,19.75 U42.9 ; v1(103.19,38.35) U15.2
  Bottom w0.25: v1(103.19,38.35) 99.51,38.35 98.27,39.59 89.3,39.59 88.51,38.79 88.51,38.29 87.72,37.5 75.59,37.5 U41.3 73.49,37.5 66.44,37.5 65.65,38.29 65.65,39.24 64.86,40.04 34.7,40.04 J2.7 32.72,42.02 18.82,42.02 v1(17.55,40.74)
P9: length 72.8
  Top w0.25: U44.9 17.28,59.89 v1(17.28,44.74) ; v1(62.28,40.86) R50.2
  Bottom w0.25: U41.9 66.92,40.07 66.13,40.86 v1(62.28,40.86) 49.22,40.86 47.62,42.47 19.56,42.47 v1(17.28,44.74)
P19: length 160.1
  Top w0.25: v1(100.45,40.31) 100.45,27.3 100.44,27.3 v1(100.44,23.79) ; v1(90.41,40.31) v1(90.41,41.76) ; v1(82.48,28.39) v1(82.48,25.07) ; U21.2 42.75,86.02 41.95,85.23 v1(40.7,85.23) ; v1(53.85,69.1) 53.85,64.51 55.58,62.78 55.58,60.16 57.16,58.58 57.46,58.58 58.25,57.78 58.25,52.24 57.75,51.74 57.75,39.74 58.65,38.84 58.65,31.4 60.49,29.56 63.21,29.56 U41.19
  Bottom w0.25: v1(53.85,69.1) 53.85,76.1 52.26,77.69 41.5,77.69 40.7,78.48 v1(40.7,85.23) ; U41.19 v1(82.48,28.39) ; v1(100.45,40.31) v1(90.41,40.31) ; U22.7 83.51,42.36 86.49,42.36 87.08,41.76 v1(90.41,41.76) ; v1(82.48,25.07) 82.75,24.8 95.93,24.8 96.94,23.79 v1(100.44,23.79)
P24: length 21.7
  Top w0.25: U43.6 47.81,27.29 v1(47.63,27.12)
  Bottom w0.25: v1(47.63,27.12) 55.71,27.12 56.51,26.32 56.51,21.56 57.3,20.77 U41.24
P27: length 50.5
  Top w0.25: v1(88.06,13.64) 88.06,16.95 v1(86.78,18.23) ; v1(108.28,13.71) U28.6
  Bottom w0.25: v1(86.78,18.23) U41.27 ; v1(88.06,13.64) 88.61,14.19 95.62,14.19 96.09,13.71 v1(108.28,13.71)
P29: length 129.3
  Top w0.25: v1(18.71,18.32) 18.71,21.5 18.27,21.94 v1(18.27,81.62)
  Bottom w0.25: v1(18.27,81.62) U44.1 ; v1(18.71,18.32) 17.74,17.35 16.11,17.35 12.94,14.18 12.94,12.72 13.73,11.93 16.14,11.93 19.43,15.22 23.84,15.22 25.35,16.73 33.16,16.73 33.44,16.45 37.18,16.45 37.45,16.73 63.34,16.73 U41.29
P30: length 68.7
  Top w0.25: v1(105.73,32.59) U15.4
  Bottom w0.25: v1(105.73,32.59) 107.54,32.59 108.33,31.79 108.33,18.31 106.74,16.73 68.45,16.73 66.14,14.42 63.11,14.42 U41.30
P38: length 14
  Top w0.25: v1(77.7,4.69) R312.1
  Bottom w0.25: v1(77.7,4.69) 72.32,4.69 70.73,6.27 70.73,9.34 U41.38
P39: length 4.8
  Top w0.25: v1(71.85,6.31) R313.1
  Bottom w0.25: U41.39 72,6.46 v1(71.85,6.31)
P42: length 56.8
  Top w0.25: U43.11 45.27,30.86 45.9,30.24 45.9,26.52 45.1,25.73 44.56,25.73 44.17,25.33 44.17,10.69 45.75,9.11 73.04,9.11 U41.42
P45: length 100.1
  Top w0.25: v1(52.95,35.7) v1(52.95,43.81) 52.95,59.94 51.31,61.58 51.31,68.57 50.27,69.61 U26.11 ; v1(73.95,31.66) 73.95,15.47 76.49,12.93 77.56,12.93 78.35,12.13 78.35,9.34 U41.45 ; v1(69.59,33.33) v1(69.59,31.66)
  Bottom w0.25: v1(69.59,31.66) v1(73.95,31.66) ; v1(52.95,43.81) 53.06,43.7 U22.1 ; v1(52.95,35.7) 53.69,34.96 66.3,34.96 67.93,33.33 v1(69.59,33.33)
P46: length 136.4
  Top w0.25: U44.17 22.26,72.77 22.26,57.88 23.02,57.11 23.02,43.75 22.75,43.48 22.75,4.86 23.54,4.07 30.27,4.07 36.06,9.86 41.39,9.86 42.18,9.06 R49.2 42.18,7.83 42.98,7.03 80.26,7.03 80.66,7.43 80.66,9.57 U41.46
P47: length 69.2
  Top w0.25: U41.47 84.45,5.78 93.12,5.78 94.71,7.37 v1(94.71,51.34)
  Bottom w0.25: v1(94.71,51.34) 93.43,52.62 86.01,52.62 U22.13
P48: length 77.1
  Top w0.25: v1(106.47,5.39) 110.28,9.2 110.28,30.38 107.1,33.56 106.75,33.56 106.36,33.95 106.36,38.08 104.46,39.98 U15.12 ; U41.48 81.11,9.56 81.11,6.19 83.44,3.86 R311.1
  Bottom w0.25: U41.48 83.43,9.34 83.43,6.98 85.02,5.39 v1(106.47,5.39)
P53: length 145.1
  Top w0.25: v1(41.57,81.2) 40.63,81.2 40.47,81.03 U26.1 ; U41.53 92.67,8.07 94.26,9.66 94.26,43.93 93.46,44.73 91.38,44.73 89.79,46.31 U22.11 89.79,60.2 92.68,63.08 92.68,64.07 90.4,66.35 v1(90.4,84.02)
  Bottom w0.25: v1(90.4,84.02) 83.73,84.02 83.32,83.61 48.79,83.61 46.38,81.2 v1(41.57,81.2) ; U22.11 88.46,49.99 83.5,49.99 U22.14
P56: length 13.9
  Top w0.25: v1(104.47,12.99) U28.3
  Bottom w0.25: v1(104.47,12.99) 104.31,13.15 U41.56
P61: length 58
  Top w0.25: v1(91.42,43.74) 91.92,43.74 92.72,42.95 v1(92.72,37.32) 91.88,37.32 91.09,36.53 91.09,30.45 91.88,29.66 92.56,29.66 93.36,28.87 93.36,20.29 92.56,19.5 91.05,19.5 U41.61 ; U15.3 104.46,35.3 103.67,34.51 v1(103.36,34.51)
  Bottom w0.25: v1(92.72,37.32) 95.53,34.51 v1(103.36,34.51) ; U22.6 80.66,44.73 90.44,44.73 v1(91.42,43.74)
